# Altium PCB Graviton-EC2.PcbDoc (part 9 of 12)
Units mil, origin at the board's own origin, x right, y up, seen from the top; angles counter-clockwise.
Board outline 7874.02 x 7874.02 mil, 10 copper layers (Top Layer, Internal Plane 1, Signal Layer 1, Internal Plane 2, Signal Layer 2, Signal Layer 3, Internal Plane 3, Signal Layer 4, Internal Plane 4, Bottom Layer), stack 65.914 mil thick; 1307 components, 1540 nets, 8037 pads, 1837 vias.
Unrouted connection lines stored in the file: 117.
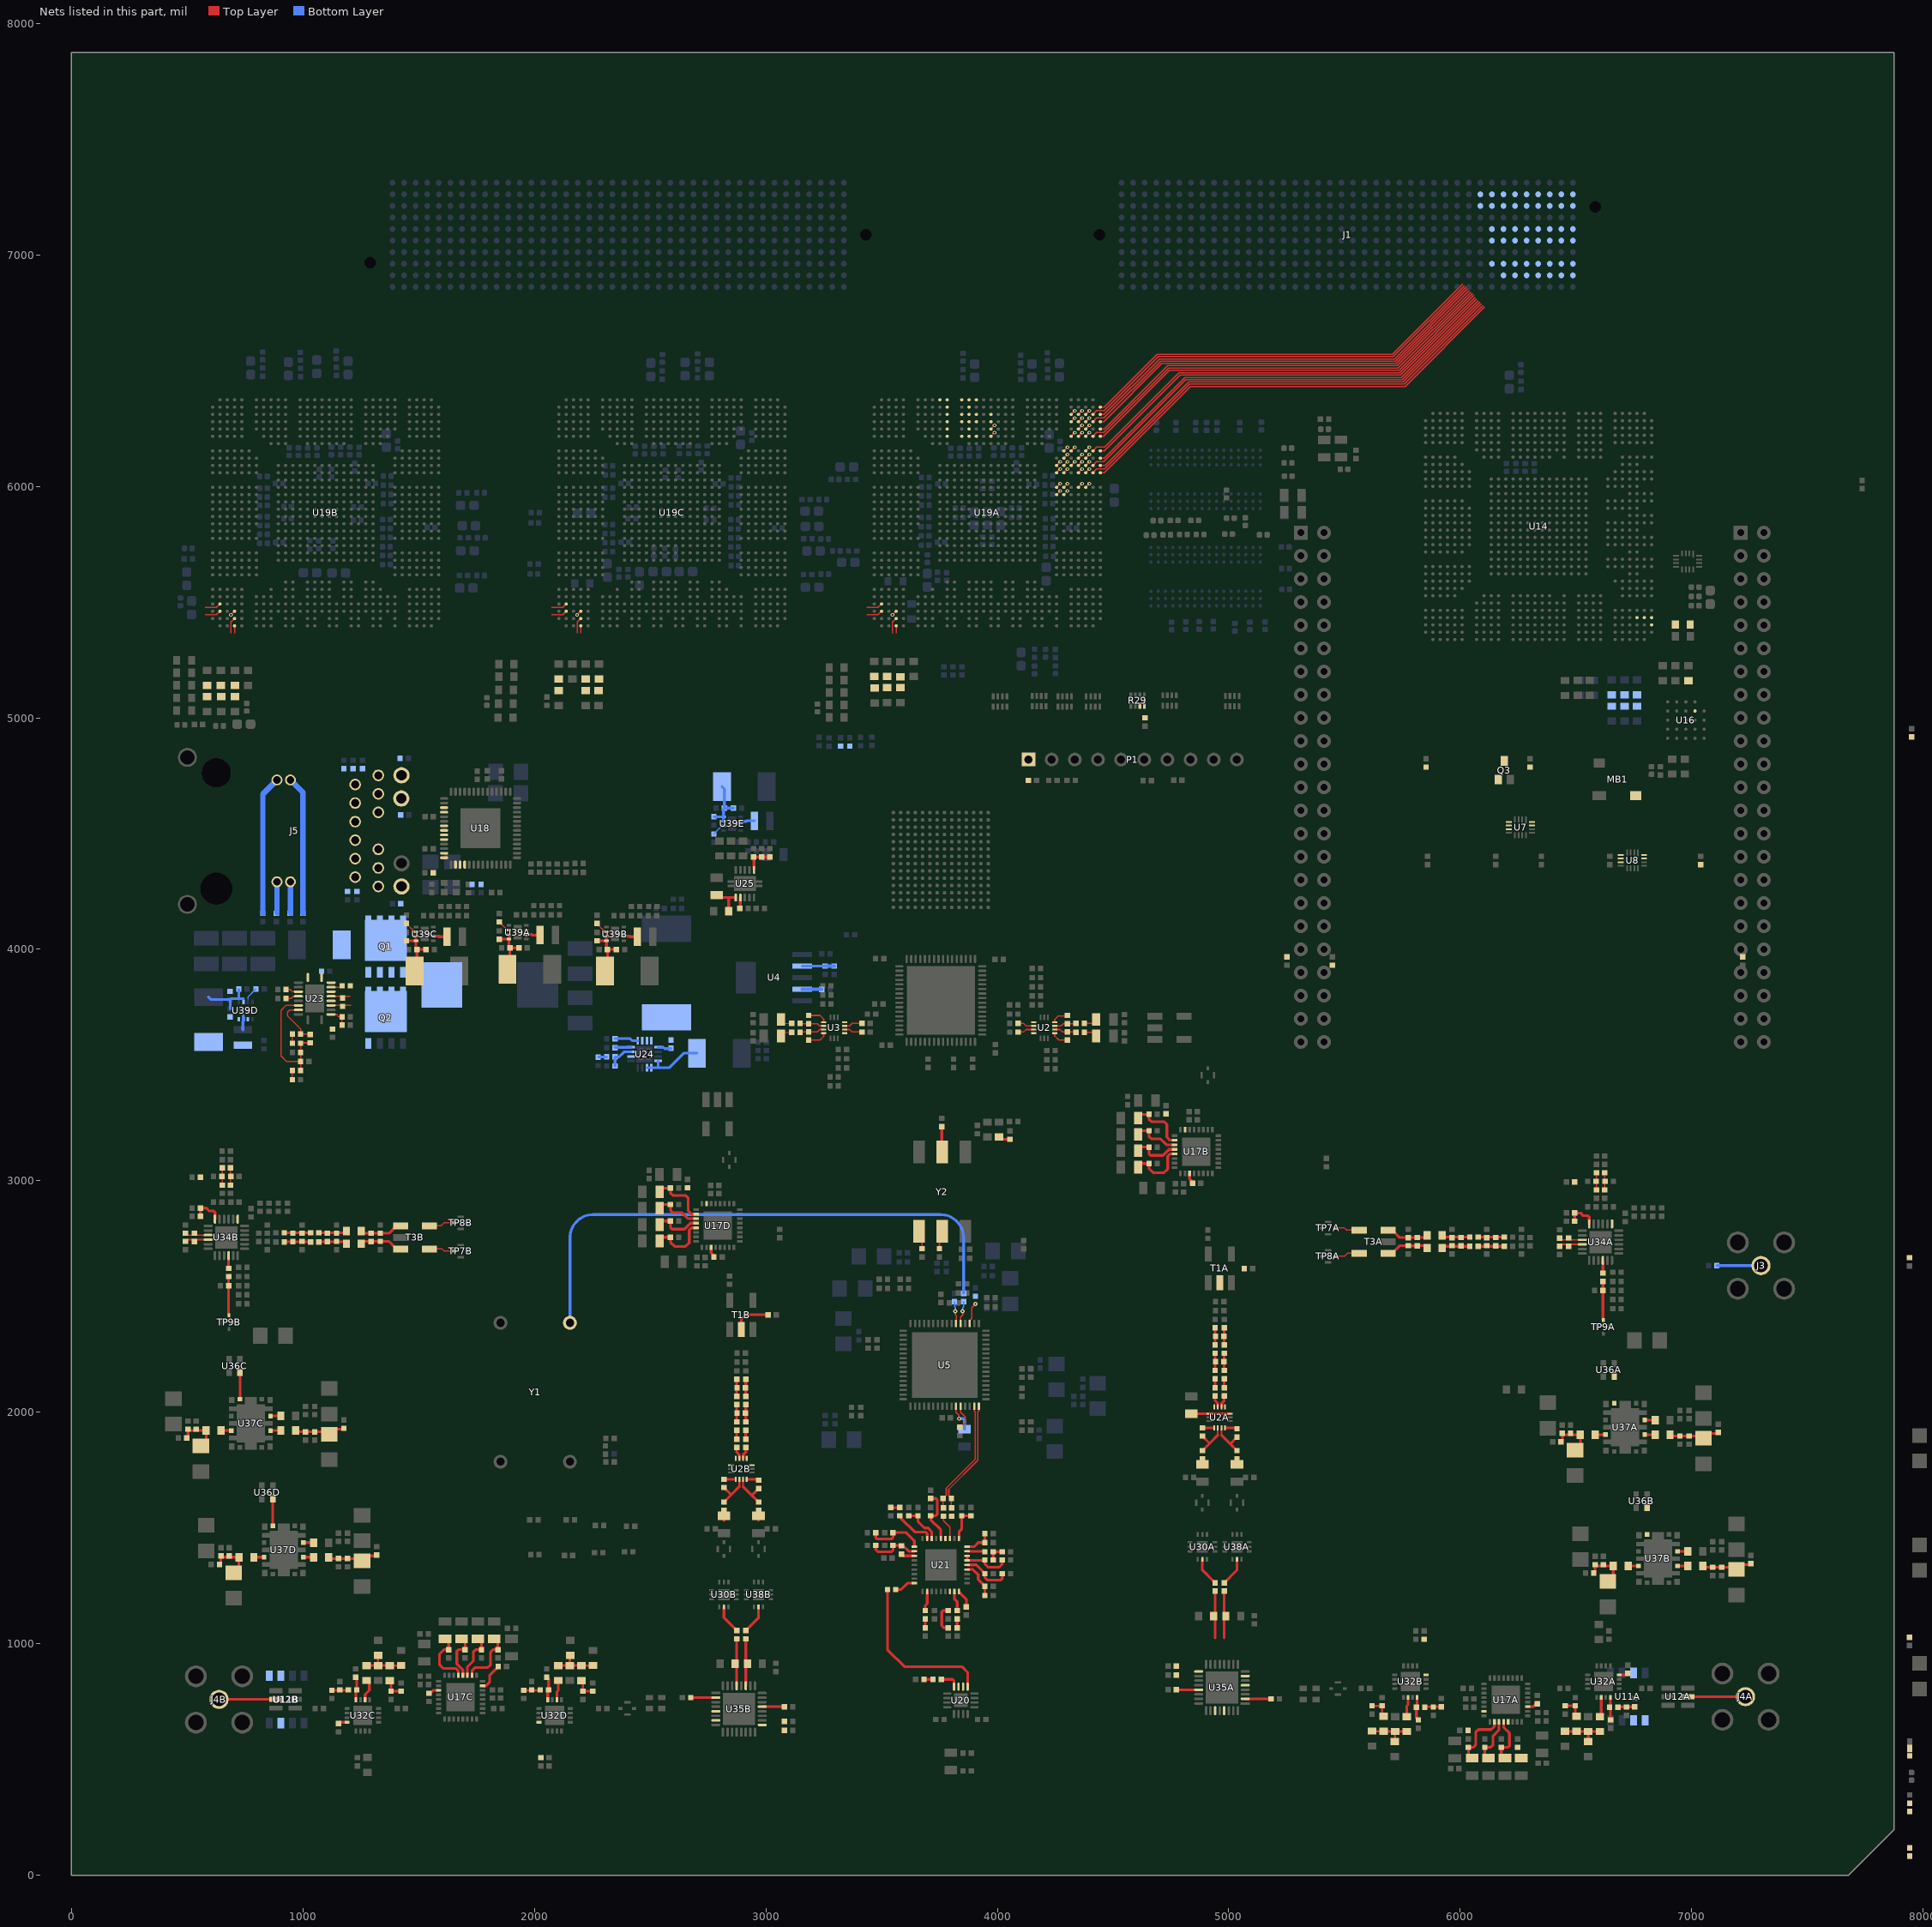
[diagram p17: the nets of this part, all layers, seen from the top]

## Via types
v1: diameter 16, hole 8, Top Layer to Bottom Layer, 1443 vias
v2: diameter 16, hole 8, Top Layer to Bottom Layer, tented top, 173 vias
v3: diameter 18, hole 8, Top Layer to Bottom Layer, 132 vias
v4: diameter 25.98, hole 8, Top Layer to Bottom Layer, tented top, 36 vias
v5: diameter 25.98, hole 12, Top Layer to Bottom Layer, tented top, 36 vias
v6: diameter 23.62, hole 11.81, Top Layer to Bottom Layer, 10 vias
v7: diameter 18, hole 8, Top Layer to Bottom Layer, tented bottom, 5 vias
v8: diameter 16, hole 8, Top Layer to Bottom Layer, tented both sides, 2 vias

## Nets (pads, with @x,y where several pads share a name; then routed paths per layer and width w, separated by ;. In a path a pad name is that pad's centre, name@x,y a point inside that pad or via, vN(x,y) a via of type N, cw(c..) or ccw(c..) an arc to the next point about the centre after c; other vN are vias at no path point) (continued)
LO-OSC_N: C314.2 R81.1 U5.16 | length 495.1
  Top Layer w5.98: C314.2@3801.38,1588.78 R81.1@3801.38,1628.15 3790.51,1639.02 3790.51,1667.85 3915.93,1793.27 3915.93,2002.5 3920.28,2006.85 U5.16@3920.28,2025.59
LO-OSC_P: C313.2 R81.2 U5.15 | length 496
  Top Layer w5.98: C313.2@3765.55,1589.17 R81.2@3765.55,1628.15 3779.53,1642.13 3779.53,1672.4 3904.94,1797.82 3904.94,2002.5 3900.59,2006.85 U5.15@3900.59,2025.59
MCLK: R43.2 R53.1 U16.B2
MDI0_N: J5.10 U18.27
MDI0_P: J5.11 U18.28
MDI1_N: J5.5 U18.23
MDI1_P: J5.4 U18.24
MDI2_N: J5.2 U18.21
MDI2_P: J5.3 U18.22
MDI3_N: J5.9 U18.17
MDI3_P: J5.8 U18.18
MISOA: U19A.AJ2 | length 70.1
  Top Layer w4.72: 3436.42,5476.38 3484.25,5476.38 U19A.AJ2@3500,5492.13
MISOB: U19B.AJ2 | length 70.1
  Top Layer w4.72: 578.15,5476.38 625.98,5476.38 U19B.AJ2@641.73,5492.13
MISOC: U19C.AJ2 | length 70.1
  Top Layer w4.72: 2074.21,5476.38 2122.05,5476.38 U19C.AJ2@2137.8,5492.13
MOSIA: U19A.AK2 | length 70.1
  Top Layer w4.72: 3436.42,5444.88 3484.25,5444.88 U19A.AK2@3500,5460.63
MOSIB: U19B.AK2 | length 70.1
  Top Layer w4.72: 578.15,5444.88 625.98,5444.88 U19B.AK2@641.73,5460.63
MOSIC: U19C.AK2 | length 70.1
  Top Layer w4.72: 2074.21,5444.88 2122.05,5444.88 U19C.AK2@2137.8,5460.63
NC-GPMC.S0: U19A.C17
NC-GPMC.S1: U19A.D17
NC-GPMC.S2: U19A.A10
NC-GPMC.S3: U19A.F11
NC-GPMC.S4: U19A.E11
NC-GPMC.S5: U19A.D11
NC-GPMC.S6: U19A.C11
NC-GPMC.S7: U19A.B11
NC-GPMC.S8: U19A.A11
NC-GPMC.S9: U19A.F13
NC-GPMC.S10: U19A.D13
NC-GPMC.S11: U19A.C13
NC-GPMC.S12: U19A.A13
NC-GPMC.S13: U19A.F14
NC-GPMC.S14: U19A.E14
NC-GPMC.S15: U19A.D14
NC-GPMC.S16: U19A.C14
NC-GPMC.S17: U19A.B14
NC-GPMC.S18: U19A.A14
NC-GPMC.S19: U19A.F15
NC-GPMC.S20: U19A.D15
NC-GPMC.S21: U19A.C15
NC-GPMC.S22: U19A.A15
NetC19_2: C19.2 R3.2 | length 39
  Top Layer w5.98: R3.2@4376.18,3641.73 C19.2@4415.16,3641.73
NetC20_2: C20.2 R5.2 | length 39
  Top Layer w5.98: R5.2@4376.18,3681.1 C20.2@4415.16,3681.1
NetC24_2: C24.2 R9.2 | length 53.4
  Top Layer w3: C24.2@3065.16,3696.85 3080.91,3681.1 R9.2@3112.01,3681.1
NetC25_2: C25.2 R11.2 | length 31.1
  Top Layer w3: C25.2@3080.91,3641.73 R11.2@3112.01,3641.73
NetC26_2: C26.2 L3.2 U4.2 | length 137.2
  Bottom Layer w11.81: U4.2@3157.48,3927.95 C26.2@3255.31,3927.95
  Bottom Layer w15.75: C26.2@3255.91,3927.36 L3.2@3295.28,3927.36
NetC33_2: C33.2 U4.4 | length 83.3
  Bottom Layer w15.75: U4.4@3157.48,3827.95 C33.2@3240.75,3827.95
NetC34_2: C34.2 J3.1 | length 190.7
  Bottom Layer w11.81: C34.2@7108.46,2633.86 J3.1@7299.21,2633.86
NetC49_1: C49.1 U5.37 | length 99.6
  Top Layer w4.72: U5.37@3841.54,2383.86 3841.54,2412.4 3850.39,2421.26 v3(3850.39,2437.01)
  Bottom Layer w4.72: v3(3850.39,2437.01) 3850.39,2452.76 3854.33,2456.69 C49.1@3854.33,2478.15
NetC49_2: C49.2 Y1.8 | length 2422.6
  Bottom Layer w11.81: Y1.8@2153.94,2386.61 2153.94,2754.33 cw(c2253.94,2754.33) 2253.94,2854.33 3754.33,2854.33 cw(c3754.33,2754.33) 3854.33,2754.33 C49.2@3854.33,2513.98
NetC50_1: C50.1 U5.38 | length 98
  Top Layer w4.72: v3(3818.9,2437.01) 3818.9,2421.26 3822.83,2417.32 3822.83,2384.84 U5.38@3821.85,2383.86
  Bottom Layer w4.72: C50.1@3814.96,2478.15 3814.96,2456.69 3818.9,2452.76 v3(3818.9,2437.01)
NetC56_2: C56.2 Y2.4 | length 61.2
  Top Layer w5.98: C56.2@3675.2,2706.89 Y2.4@3675.2,2768.11
NetC62_1: C62.1 Y2.5 | length 79.5
  Top Layer w5.98: C62.1@3750,2706.89 3750,2769.69 Y2.5@3761.81,2781.5
NetC67_1: C67.1 U5.35 | length 94.8
  Top Layer w4.72: U5.35@3880.91,2383.86 3880.91,2396.65 3889.76,2405.51 3889.76,2452.76 v3(3905.51,2468.5)
NetC72A_1: C72A.1 L52A.1 U35A.29 | length 204.7
  Top Layer w11.81: 4940.94,1025.2 C72A.1@4940.94,1229.92
NetC72A_2: C72A.2 U30A.8 | length 124.6
  Top Layer w11.81: U30A.8@4885.83,1365.35 4885.83,1318.7 C72A.2@4940.94,1263.58
NetC72B_1: C72B.1 L52B.1 U35B.29 | length 204.7
  Top Layer w11.81: U35B.29@2874.02,818.9 C72B.1@2874.02,1023.62
NetC72B_2: C72B.2 U30B.8 | length 124.6
  Top Layer w11.81: U30B.8@2818.9,1159.05 2818.9,1112.4 C72B.2@2874.02,1057.28
NetC77A_1: C77A.1 L53A.1 U35A.27 | length 204.7
  Top Layer w11.81: 4980.32,1025.2 C77A.1@4980.32,1229.92
NetC77A_2: C77A.2 U38A.8 | length 124.6
  Top Layer w11.81: C77A.2@4980.32,1263.58 5035.43,1318.7 U38A.8@5035.43,1365.35
NetC77B_1: C77B.1 L53B.1 U35B.27 | length 204.7
  Top Layer w11.81: U35B.27@2913.39,818.9 C77B.1@2913.39,1023.62
NetC77B_2: C77B.2 U38B.8 | length 124.6
  Top Layer w11.81: C77B.2@2913.39,1057.28 2968.5,1112.4 U38B.8@2968.5,1159.05
NetC78_2: C78.2 U5.11 | length 124.8
  Top Layer w4.72: U5.11@3821.85,2025.59 3821.85,2000.98 3834.65,1988.19 v3(3834.65,1972.44)
  Bottom Layer w11.81: v3(3834.65,1972.44) 3854.33,1972.44 3858.27,1968.5 C78.2@3858.27,1927.36
NetC79_2: C79.2 U5.12 | length 105.3
  Top Layer w4.72: U5.12@3841.54,2025.59 3841.54,2000.98 3862.2,1980.32 3862.2,1956.69 C79.2@3842.52,1937.01
NetC84A_1: C84A.1 R167A.2
NetC84B_1: C84B.1 R167B.2 | length 42.9
  Top Layer w11.81: 2818.9,1533.66 R167B.2@2818.9,1576.57
NetC86_1: C86.1 R14.1 | length 38
  Top Layer w11.81: R14.1@4017.13,3179.72 C86.1@4055.12,3179.72
NetC114_2: C114.2 R29.7 R29.8
NetC154A_1: C154A.1 R169A.2
NetC154B_1: C154B.1 R169B.2 | length 42.9
  Top Layer w11.81: 2968.5,1533.66 R169B.2@2968.5,1576.57
NetC190A_2: C190A.2 C191A.2 C192A.2 F8A.2 U39A.7 U39A.8 | length 236.5
  Top Layer w11.81: C190A.2@1849.17,4043.94 U39A.8@1890.31,4043.94 ; F8A.2@1883.66,3913.39 1894.45,3924.17 C192A.2@1894.45,4006.53 ; U39A.7@1890.31,4063.62 U39A.8@1890.31,4043.94 ; C191A.2@1933.42,4006.53 C192A.2@1894.45,4006.53 ; U39A.8@1890.31,4043.94 1890.31,4010.67 C192A.2@1894.45,4006.53
NetC190B_2: C190B.2 C191B.2 C192B.2 F8B.2 U39B.7 U39B.8 | length 236.5
  Top Layer w11.81: C190B.2@2270.43,4037.05 U39B.8@2311.57,4037.05 ; F8B.2@2304.92,3906.5 2315.71,3917.28 C192B.2@2315.71,3999.65 ; U39B.7@2311.57,4056.73 U39B.8@2311.57,4037.05 ; C191B.2@2354.68,3999.65 C192B.2@2315.71,3999.65 ; U39B.8@2311.57,4037.05 2311.57,4003.78 C192B.2@2315.71,3999.65
NetC190C_2: C190C.2 C191C.2 C192C.2 F8C.2 U39C.7 U39C.8 | length 236.5
  Top Layer w11.81: C190C.2@1447.6,4037.05 U39C.8@1488.74,4037.05 ; F8C.2@1482.09,3906.5 1492.87,3917.28 C192C.2@1492.87,3999.65 ; U39C.7@1488.74,4056.73 U39C.8@1488.74,4037.05 ; C191C.2@1531.85,3999.65 C192C.2@1492.87,3999.65 ; U39C.8@1488.74,4037.05 1488.74,4003.78 C192C.2@1492.87,3999.65
NetC190D_2: C190D.2 C191D.2 C192D.2 F8D.2 U39D.7 U39D.8 | length 236.5
  Bottom Layer w11.81: 592.52,3793.5 603.31,3782.72 685.67,3782.72 ; 685.67,3743.74 685.67,3782.72 ; C190D.2@723.07,3827.99 723.07,3786.85 ; 742.76,3786.85 723.07,3786.85 ; 685.67,3782.72 689.8,3786.85 723.07,3786.85
NetC190E_2: C190E.2 C191E.2 C192E.2 F8E.2 U39E.7 U39E.8 | length 236.5
  Bottom Layer w11.81: C190E.2@2775.79,4572.83 U39E.8@2816.93,4572.83 ; F8E.2@2810.28,4703.39 2821.06,4692.6 C192E.2@2821.06,4610.24 ; U39E.7@2816.93,4553.15 U39E.8@2816.93,4572.83 ; C191E.2@2860.04,4610.24 C192E.2@2821.06,4610.24 ; U39E.8@2816.93,4572.83 2816.93,4606.1 C192E.2@2821.06,4610.24
NetC200A_1: C200A.1 FB9A.1 U17A.29 | length 204
  Top Layer w11.81: 6122.05,506.1 6106.3,521.85 6106.3,552.95 6131.69,552.95 6141.73,562.99 6141.73,602.36 6167.32,627.95 6167.32,663.39
NetC200B_1: C200B.1 FB9B.1 U17B.29 | length 462.3
  Top Layer w11.81: FB9B.1@4608.46,3059.06 4624.21,3074.8 C200B.1@4655.32,3074.8 4655.32,3053.35 4673.23,3035.43 4720.47,3035.43 4736.22,3051.18 4736.22,3106.15 4746.22,3116.14 U17B.29@4765.75,3116.14 ; 4608.46,3200.79 4624.21,3216.54 4655.32,3216.54 4655.32,3191.14 4665.35,3181.1 4704.72,3181.1 4730.32,3155.51 4765.75,3155.51
NetC200C_1: C200C.1 FB9C.1 U17C.29 | length 258.3
  Top Layer w11.81: FB9C.1@1614.17,1021.46 1629.92,1005.71 C200C.1@1629.92,974.61 1608.46,974.61 1590.55,956.69 1590.55,909.45 1606.3,893.7 1661.27,893.7 1671.26,883.71 U17C.29@1671.26,864.17
NetC200D_1: C200D.1 FB9D.1 U17D.29 | length 462.3
  Top Layer w11.81: FB9D.1@2541.14,2740.16 2556.89,2755.91 C200D.1@2587.99,2755.91 2587.99,2734.45 2605.91,2716.54 2653.15,2716.54 2668.9,2732.28 2668.9,2787.25 2678.89,2797.24 U17D.29@2698.43,2797.24 ; 2541.14,2881.89 2556.89,2897.64 2587.99,2897.64 2587.99,2872.24 2598.03,2862.2 2637.4,2862.2 2662.99,2836.61 2698.43,2836.61
NetC201A_1: C201A.1 FB8A.1 U17A.28 | length 461.4
  Top Layer w11.81: 6051.18,506.1 6035.43,521.85 6035.43,552.95 6056.89,552.95 6066.93,562.99 6066.93,618.11 6078.74,629.92 6133.86,629.92 6147.64,643.7 6147.64,663.39 ; U17A.28@6187.01,663.39 6187.01,639.76 6212.6,614.17 6212.6,559.06 6206.5,552.95 C201A.1@6177.17,552.95 6177.17,521.85 FB8A.1@6192.91,506.1
NetC201B_1: C201B.1 FB8B.1 U17B.28 | length 461.4
  Top Layer w11.81: FB8B.1@4608.46,3129.92 4624.21,3145.67 C201B.1@4655.32,3145.67 4655.32,3116.34 4661.42,3110.24 4716.54,3110.24 4742.13,3135.83 U17B.28@4765.75,3135.83 ; 4608.46,3271.65 4624.21,3287.4 4655.32,3287.4 4655.32,3265.94 4665.35,3255.91 4720.47,3255.91 4732.28,3244.09 4732.28,3188.98 4746.06,3175.2 4765.75,3175.2
NetC201C_1: C201C.1 FB8C.1 U17C.28 | length 206.3
  Top Layer w11.81: FB8C.1@1685.04,1021.46 1700.79,1005.71 C201C.1@1700.79,974.61 1671.46,974.61 1665.35,968.5 1665.35,913.39 1690.94,887.8 U17C.28@1690.94,864.17
NetC201D_1: C201D.1 FB8D.1 U17D.28 | length 461.4
  Top Layer w11.81: FB8D.1@2541.14,2811.02 2556.89,2826.77 C201D.1@2587.99,2826.77 2587.99,2797.44 2594.09,2791.34 2649.21,2791.34 2674.8,2816.93 U17D.28@2698.43,2816.93 ; 2541.14,2952.76 2556.89,2968.5 2587.99,2968.5 2587.99,2947.05 2598.03,2937.01 2653.15,2937.01 2664.96,2925.2 2664.96,2870.08 2678.74,2856.3 2698.43,2856.3
NetC202A_1: C202A.1 FB7A.1 U17A.27
NetC202B_1: C202B.1 FB7B.1 U17B.27
NetC202C_1: C202C.1 FB7C.1 U17C.27 | length 204
  Top Layer w11.81: U17C.27@1710.63,864.17 1710.63,899.61 1736.22,925.2 1736.22,964.57 1746.26,974.61 C202C.1@1771.65,974.61 1771.65,1005.71 FB7C.1@1755.91,1021.46
NetC202D_1: C202D.1 FB7D.1 U17D.27
NetC203A_1: C203A.1 FB6A.1 U17A.26
NetC203B_1: C203B.1 FB6B.1 U17B.26
NetC203C_1: C203C.1 FB6C.1 U17C.26 | length 255.1
  Top Layer w11.81: U17C.26@1730.31,864.17 1730.31,883.86 1744.09,897.64 1799.21,897.64 1811.02,909.45 1811.02,964.57 1821.06,974.61 C203C.1@1842.52,974.61 1842.52,1005.71 FB6C.1@1826.77,1021.46
NetC203D_1: C203D.1 FB6D.1 U17D.26
NetC215_2: C215.2 C216.2 C217.2 C218.2 C219.2 J5.1 J5.6 J5.7 J5.12
NetC295_1: C295.1 U21.36 | length 91.9
  Top Layer w11.81: C295.1@3561.22,1234.45 3584.84,1234.45 3612.4,1262.01 U21.36@3641.73,1262.01
NetC295_2: C295.2 U20.1 | length 708.4
  Top Layer w11.81: C295.2@3525.39,1234.45 3525.39,974.61 3598.43,901.57 3846.46,901.57 3872.05,875.98 U20.1@3872.05,814.96
NetC296_1: C296.1 R80.1 | length 39
  Top Layer w11.81: R80.1@3683.27,846.46 C296.1@3722.24,846.46
NetC296_2: C296.2 U20.4 | length 83
  Top Layer w11.81: C296.2@3758.07,846.46 3807.09,846.46 3812.99,840.55 U20.4@3812.99,814.96
NetC297_1: C297.1 U21.30 | length 58.2
  Top Layer w11.81: C297.1@3586.61,1387.6 3594.09,1380.12 U21.30@3641.73,1380.12
NetC297_2: C297.2 C307.2 L30.1 U21.29 | length 213.2
  Top Layer w11.81: L30.1@3474.61,1425.2 3474.61,1407.28 3484.25,1397.64 3543.31,1397.64 3549.41,1403.74 C307.2@3549.41,1425.2 C297.2@3584.84,1425.2 ; C297.2@3594.49,1423.43 3618.11,1399.8 U21.29@3641.73,1399.8
NetC298_2: C298.2 L37.1 U21.7 | length 120.7
  Top Layer w11.81: L37.1@3787.4,1069.09 3769.49,1069.09 3759.84,1078.74 3759.84,1137.8 3765.94,1143.9 C298.2@3787.4,1143.9
NetC300_2: C300.2 L36.1 U21.23 | length 239
  Top Layer w11.81: L36.1@3712.6,1627.76 3734.45,1627.76 3740.16,1622.05 3740.16,1559.06 3734.06,1552.95 C300.2@3712.6,1552.95 3712.6,1535.43 3755.91,1492.13 U21.23@3755.91,1454.92
NetC301_2: C301.2 L35.1 U21.13 | length 158.4
  Top Layer w11.81: U21.13@3870.08,1321.06 3894.41,1321.06 3917.32,1298.15 3917.32,1277.36 C301.2@3946.65,1248.03 L35.1@3946.65,1208.66
NetC302_2: C302.2 L34.1 U21.19 | length 142.3
  Top Layer w11.81: U21.19@3834.65,1454.92 3834.65,1484.25 3846.46,1496.06 C302.2@3846.46,1552.95 L34.1@3885.83,1552.95
NetC303_2: C303.2 L33.1 U21.14 | length 212.8
  Top Layer w11.81: U21.14@3870.08,1340.75 3909.06,1340.75 C303.2@3946.65,1303.15 3946.65,1285.63 3956.69,1275.59 4015.75,1275.59 4021.46,1281.3 L33.1@4021.46,1303.15
NetC304_2: C304.2 L32.1 U21.18 | length 123.2
  Top Layer w11.81: U21.18@3870.08,1419.49 3899.8,1419.49 3917.32,1437.01 C304.2@3946.65,1437.01 L32.1@3946.65,1476.38
NetC305_2: C305.2 L31.1 U21.25 | length 171.1
  Top Layer w11.81: L31.1@3618.11,1552.95 C305.2@3657.48,1552.95 3657.48,1527.56 3685.04,1500 3700.79,1500 3716.54,1484.25 U21.25@3716.54,1454.92
NetC308_2: C308.2 L29.1 U21.28 | length 255.4
  Top Layer w11.81: L29.1@3474.61,1480.32 3474.61,1458.46 3480.32,1452.76 3543.31,1452.76 3549.41,1458.86 C308.2@3549.41,1480.32 3606.3,1480.32 3641.73,1444.88 U21.28@3641.73,1419.49
NetC313_1: C313.1 U21.21 | length 107.7
  Top Layer w5.98: C313.1@3767.72,1551.18 3767.72,1531.5 3795.28,1503.94 U21.21@3795.28,1454.92
NetC314_1: C314.1 U21.22
NetC315_1: C315.1 R85.2 R86.1 | length 74.4
  Top Layer w11.81: C315.1@3982.48,1362.2 R85.2@3982.48,1397.64 R86.1@4021.46,1397.64
NetC315_2: C315.2 C320.2 U21.15 U21.16 | length 216.1
  Top Layer w11.81: U21.16@3870.08,1380.12 U21.15@3870.08,1360.43 C315.2@3944.88,1360.43 ; C315.2@3946.65,1362.2 3946.65,1344.69 3960.63,1330.71 4007.87,1330.71 4021.46,1344.29 C320.2@4021.46,1362.2
NetC316_1: C316.1 R82.1 | length 39
  Top Layer w11.81: C316.1@3688.98,1069.09 R82.1@3688.98,1108.07
NetC317_2: C317.2 R83.1 | length 39
  Top Layer w11.81: C317.2@3826.77,1069.09 R83.1@3826.77,1108.07
NetC318_2: C318.2 U21.9 | length 80
  Top Layer w11.81: U21.9@3834.65,1226.57 3834.65,1224.41 3866.14,1192.91 C318.2@3866.14,1159.65
NetC319_2: C319.2 R84.1 | length 39.4
  Top Layer w11.81: C319.2@3539.37,1588.78 R84.1@3578.74,1588.78
NetC329_1: C329.1 C330.2 L39.1 Q1.1 Q1.2 Q1.3 Q2.5 Q2.6 Q2.7 Q2.8 Q2.9 R93.1 U23.16 | length 83.3
  Top Layer w5.98: U23.16@1119.88,3797.24 1203.15,3797.24
NetC329_2: C329.2 U23.18 | length 51.8
  Top Layer w5.98: U23.18@1119.88,3836.61 C329.2@1171.65,3836.61
NetC330_1: C330.1 Q2.4 R93.2 U23.14 | length 86.8
  Top Layer w5.98: U23.14@1119.88,3757.87 R93.2@1171.26,3757.87 ; R93.2@1171.46,3757.68 1206.89,3757.68
NetC333_1: C333.1 R96.1 | length 39.4
  Top Layer w5.98: R96.1@954.53,3594.49 C333.1@954.53,3633.86
NetC333_2: C333.2 C335.2 U23.8 | length 209.3
  Top Layer w5.98: U23.8@980.71,3738.19 942.91,3738.19 933.07,3728.35 933.07,3712.6 990.35,3655.31 C333.2@990.35,3633.86 C335.2@1029.72,3633.86
NetC334_1: C334.1 C335.1 R96.2 R97.2 R99.1 U23.7 | length 535.2
  Top Layer w5.98: U23.7@980.71,3757.87 927.17,3757.87 905.51,3736.22 905.51,3539.37 929.13,3515.75 R97.2@989.96,3515.75 ; C334.1@990.35,3476.38 R99.1@990.35,3555.12 R96.2@990.35,3594.49 992.13,3596.26 C335.1@1031.5,3596.26
NetC334_2: C334.2 R95.2 | length 39.4
  Top Layer w5.98: R95.2@954.53,3437.01 C334.2@954.53,3476.38
NetC339_1: C339.1 U24.13 | length 59.3
  Bottom Layer w11.81: U24.13@2534.45,3576.78 2557.08,3576.78 2562.99,3570.87 2588.78,3570.87 C339.1@2590.55,3572.64
NetC339_2: C339.2 L40.1 U24.10 U24.11 U24.12
NetC340_1: C340.1 R98.1 R101.2 U23.20
NetC344_1: C344.1 U23.5 | length 57.4
  Top Layer w5.98: C344.1@927.36,3787.4 948.82,3787.4 958.66,3797.24 U23.5@980.71,3797.24
NetC346_1: C346.1 U23.15
NetC347_1: C347.1 R104.2 U23.12 | length 88.9
  Top Layer w5.98: U23.12@1119.88,3718.5 1145.87,3718.5 1155.71,3708.66 R104.2@1169.29,3708.66 C347.1@1169.29,3673.23
NetC348_1: C348.1 U24.9 | length 101.9
  Bottom Layer w11.81: C348.1@2348.62,3614.17 2413.39,3614.17 2422.24,3605.32 U24.9@2446.85,3605.32
NetC349_1: C349.1 R105.2 | length 35.4
  Bottom Layer w11.81: C349.1@2277.36,3535.43 R105.2@2312.8,3535.43
NetC350_1: C350.1 R105.1 U24.7 | length 118
  Bottom Layer w11.81: C350.1@2348.62,3496.06 R105.1@2348.62,3535.43 2366.14,3535.43 2387.8,3557.09 U24.7@2418.31,3557.09
NetC354_1: C354.1 R109.1 R110.2 U25.1 | length 115.9
  Top Layer w11.81: R109.1@2946.85,4399.41 R110.2@2982.28,4399.41 C354.1@3017.72,4399.41 ; U25.1@2948.82,4346.46 R109.1@2948.82,4391.54
NetC363_2: C363.2 R113.1 U25.6 | length 131.3
  Top Layer w11.81: R113.1@2797.05,4224.41 U25.6@2870.08,4224.41 ; C363.2@2839.37,4165.35 2839.37,4223.62
NetC379A_2: C379A.2 C380A.2 FB11A.1 U2A.1 U2A.10 | length 167.3
  Top Layer w11.81: FB11A.1@4838.58,1993.9 U2A.1@4915.35,1993.9 U2A.10@5005.91,1993.9
NetC379B_2: C379B.2 C380B.2 FB11B.1 U2B.1 U2B.10
NetC383A_2: C383A.2 FB12A.1 U31A.A1 U31A.A2
NetC383B_2: C383B.2 FB12B.1 U31B.A1 U31B.A2
NetC383C_2: C383C.2 FB12C.1 U31C.A1 U31C.A2
NetC383D_2: C383D.2 FB12D.1 U31D.A1 U31D.A2
NetC388A_2: C388A.2 C389A.2 R128A.2 R129A.2 R130A.2 | length 191.9
  Top Layer w11.81: C389A.2@6454.13,621.26 C388A.2@6553.15,621.26 ; R128A.2@6553.15,578.54 C388A.2@6553.15,621.26 ; R129A.2@6603.35,621.26 C388A.2@6553.15,621.26
NetC388B_2: C388B.2 C389B.2 R128B.2 R129B.2 R130B.2 | length 194.7
  Top Layer w10: C389B.2@5619.09,620.87 5620.47,622.24 R130B.2@5668.31,622.24 5669.29,621.26 C388B.2@5718.5,621.26 ; R128B.2@5717.52,577.56 5718.5,578.54 C388B.2@5718.5,621.26 ; R129B.2@5768.7,621.26 C388B.2@5718.5,621.26
NetC388C_2: C388C.2 C389C.2 R128C.2 R129C.2 R130C.2 | length 194.7
  Top Layer w10: R129C.2@1274.61,906.3 C388C.2@1324.8,906.3 ; R128C.2@1325.79,950 1324.8,949.02 C388C.2@1324.8,906.3 ; C389C.2@1424.21,906.69 1422.83,905.32 R130C.2@1375,905.32 1374.02,906.3 C388C.2@1324.8,906.3
NetC388D_2: C388D.2 C389D.2 R128D.2 R129D.2 R130D.2 | length 194.7
  Top Layer w10: R129D.2@2103.35,906.3 C388D.2@2153.54,906.3 ; R128D.2@2154.53,950 2153.54,949.02 C388D.2@2153.54,906.3 ; C389D.2@2252.95,906.69 2251.57,905.32 R130D.2@2203.74,905.32 2202.76,906.3 C388D.2@2153.54,906.3
NetC390A_1: C390A.1 L46A.1 R131A.1 | length 69.9
  Top Layer w11.81: R131A.1@6683.07,728.15 L46A.1@6752.95,728.15
NetC390B_1: C390B.1 L46B.1 R131B.1 | length 69.9
  Top Layer w10: R131B.1@5848.43,728.15 L46B.1@5918.31,728.15
NetC390C_1: C390C.1 L46C.1 R131C.1 | length 69.9
  Top Layer w10: L46C.1@1125,799.41 R131C.1@1194.88,799.41
NetC390D_1: C390D.1 L46D.1 R131D.1 | length 69.9
  Top Layer w10: L46D.1@1953.74,799.41 R131D.1@2023.62,799.41
NetC391A_2: C391A.2 R131A.2 U32A.16 | length 92.3
  Top Layer w11.81: C391A.2@6648.62,676.38 U32A.16@6648.62,768.7
NetC391B_2: C391B.2 R131B.2 U32B.16 | length 101.9
  Top Layer w11.81: U32B.16@5813.98,768.7 5813.98,729.53 R131B.2@5810.83,726.38 5810.83,679.53 C391B.2@5818.9,671.46
NetC391C_2: C391C.2 R131C.2 U32C.16 | length 101.9
  Top Layer w11.81: C391C.2@1224.41,856.1 1232.48,848.03 R131C.2@1232.48,801.18 1229.33,798.03 U32C.16@1229.33,758.86
NetC391D_2: C391D.2 R131D.2 U32D.16 | length 101.9
  Top Layer w11.81: C391D.2@2053.15,856.1 2061.22,848.03 R131D.2@2061.22,801.18 2058.07,798.03 U32D.16@2058.07,758.86
NetC392A_2: C392A.2 L47A.1 R130A.1 | length 82.3
  Top Layer w10: C392A.2@6453.74,732.48 6496.65,732.48 R130A.1@6496.65,693.11
NetC392B_2: C392B.2 L47B.1 R130B.1 | length 92.8